# Altium PCB Lancelot.PcbDoc (part 1 of 14) (continued)
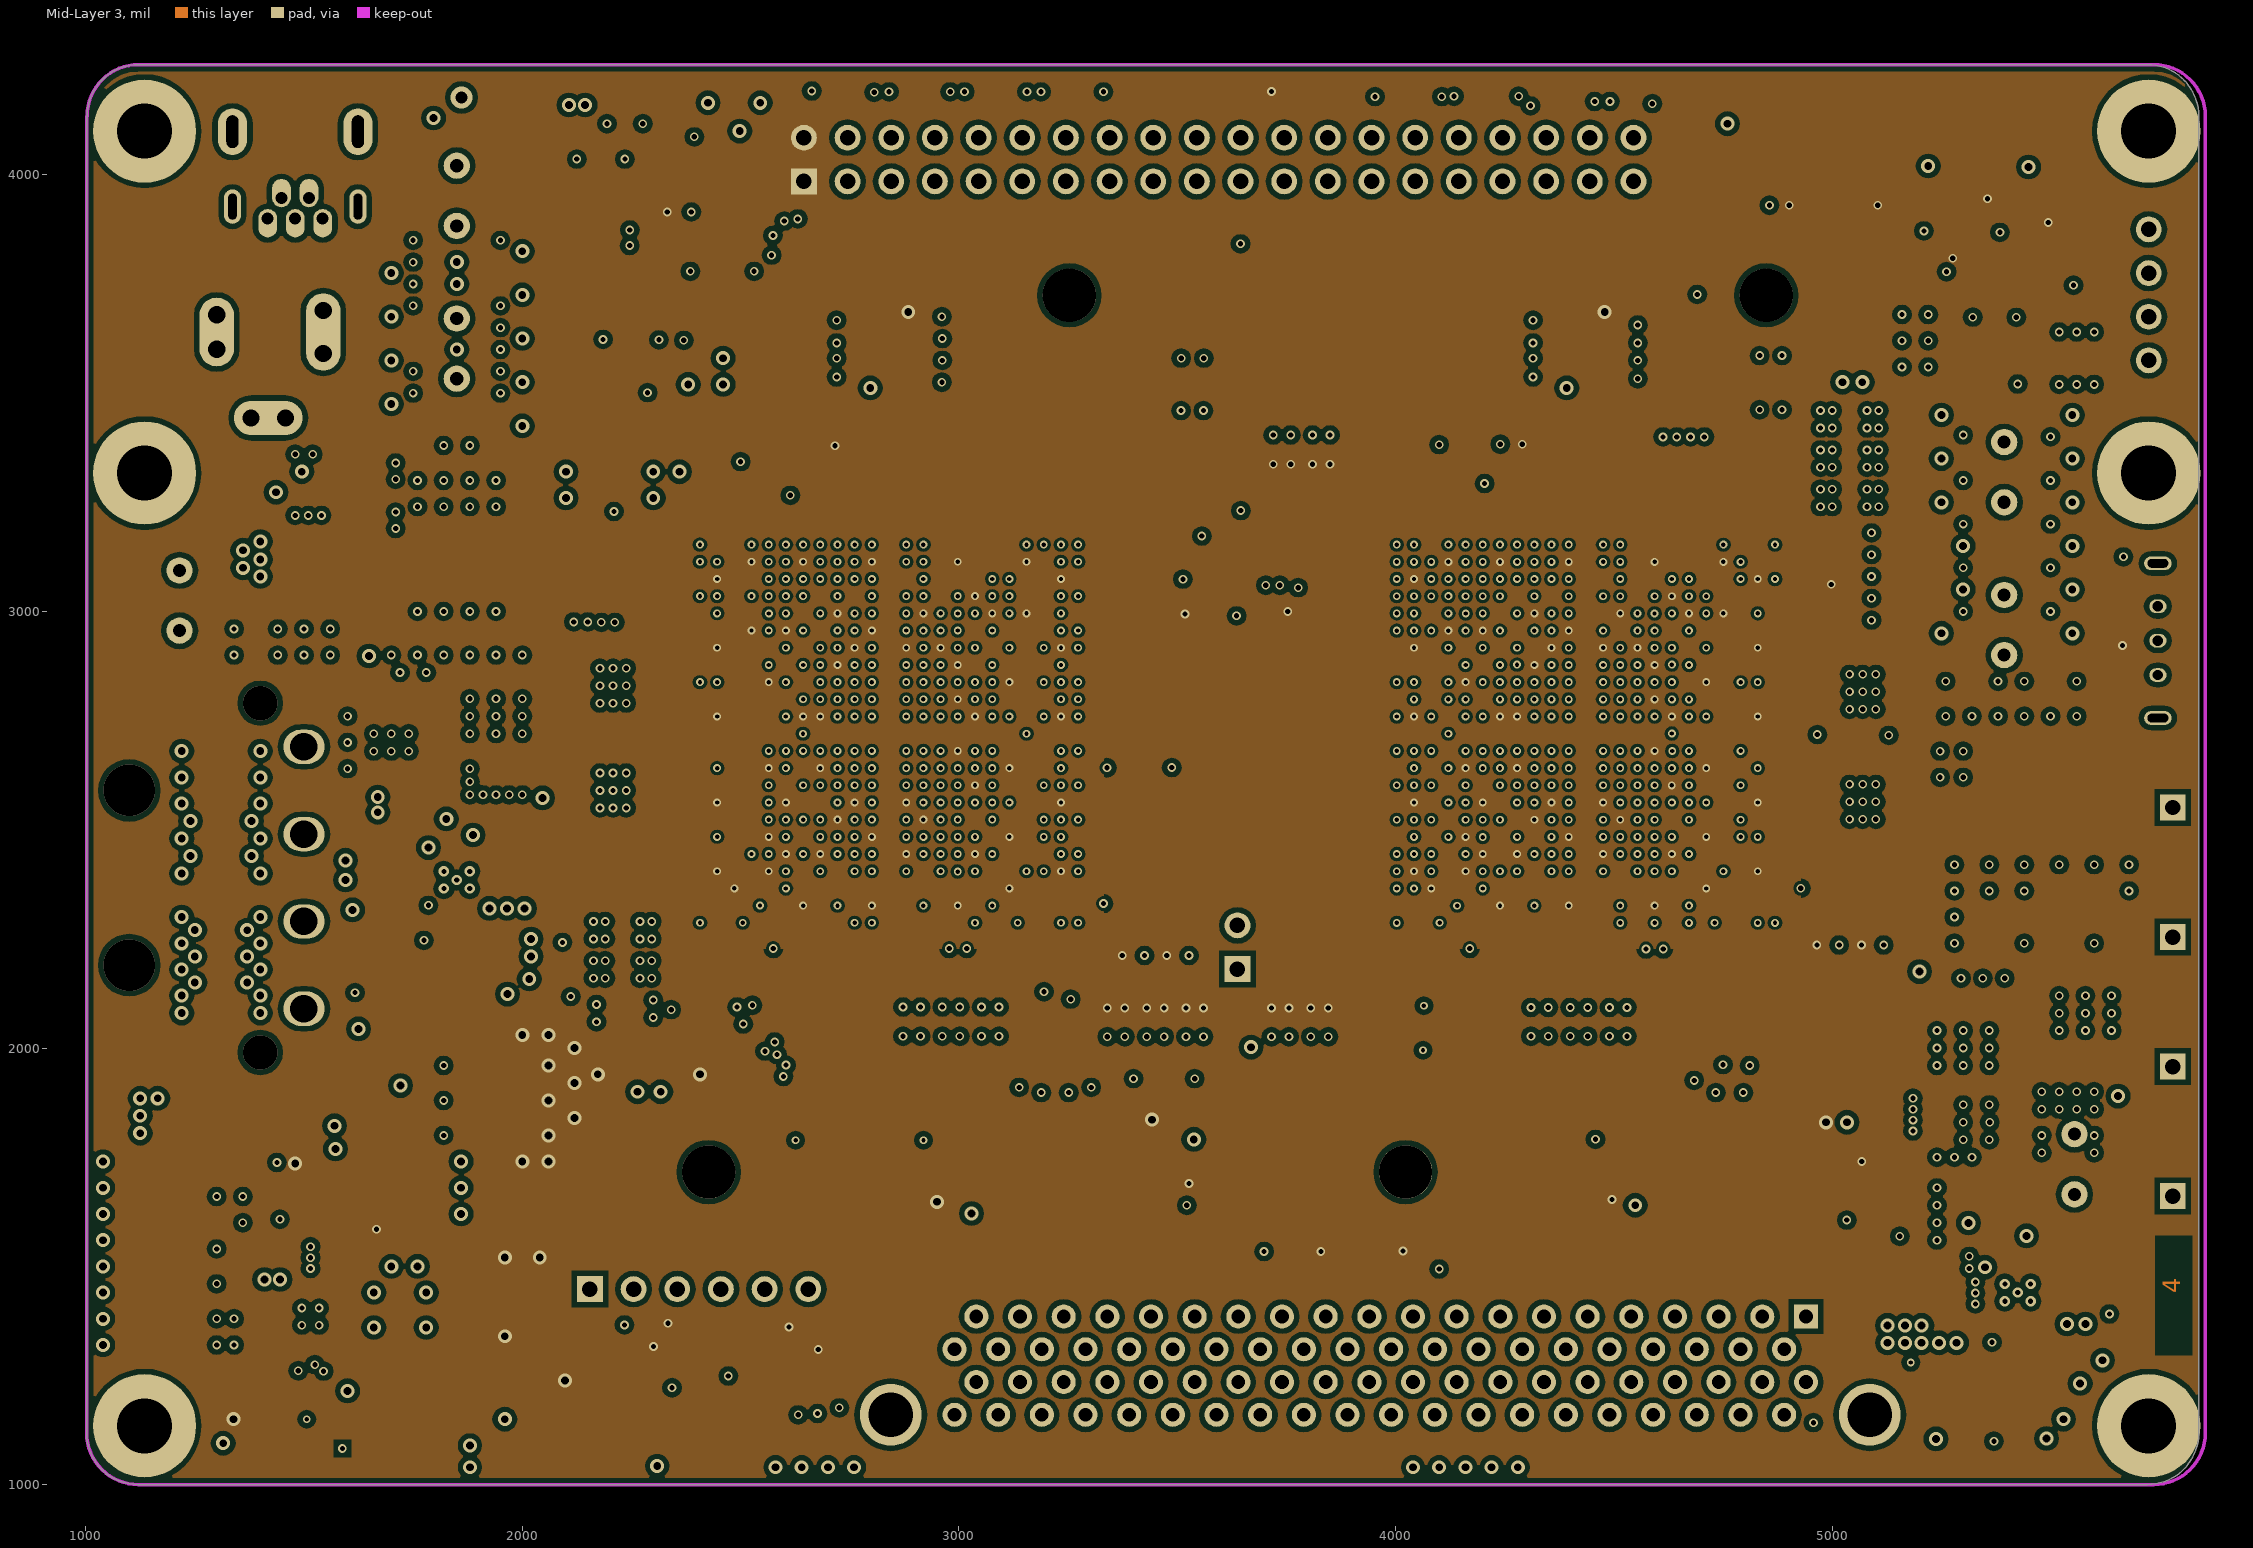
[diagram p4: Mid-Layer 3]
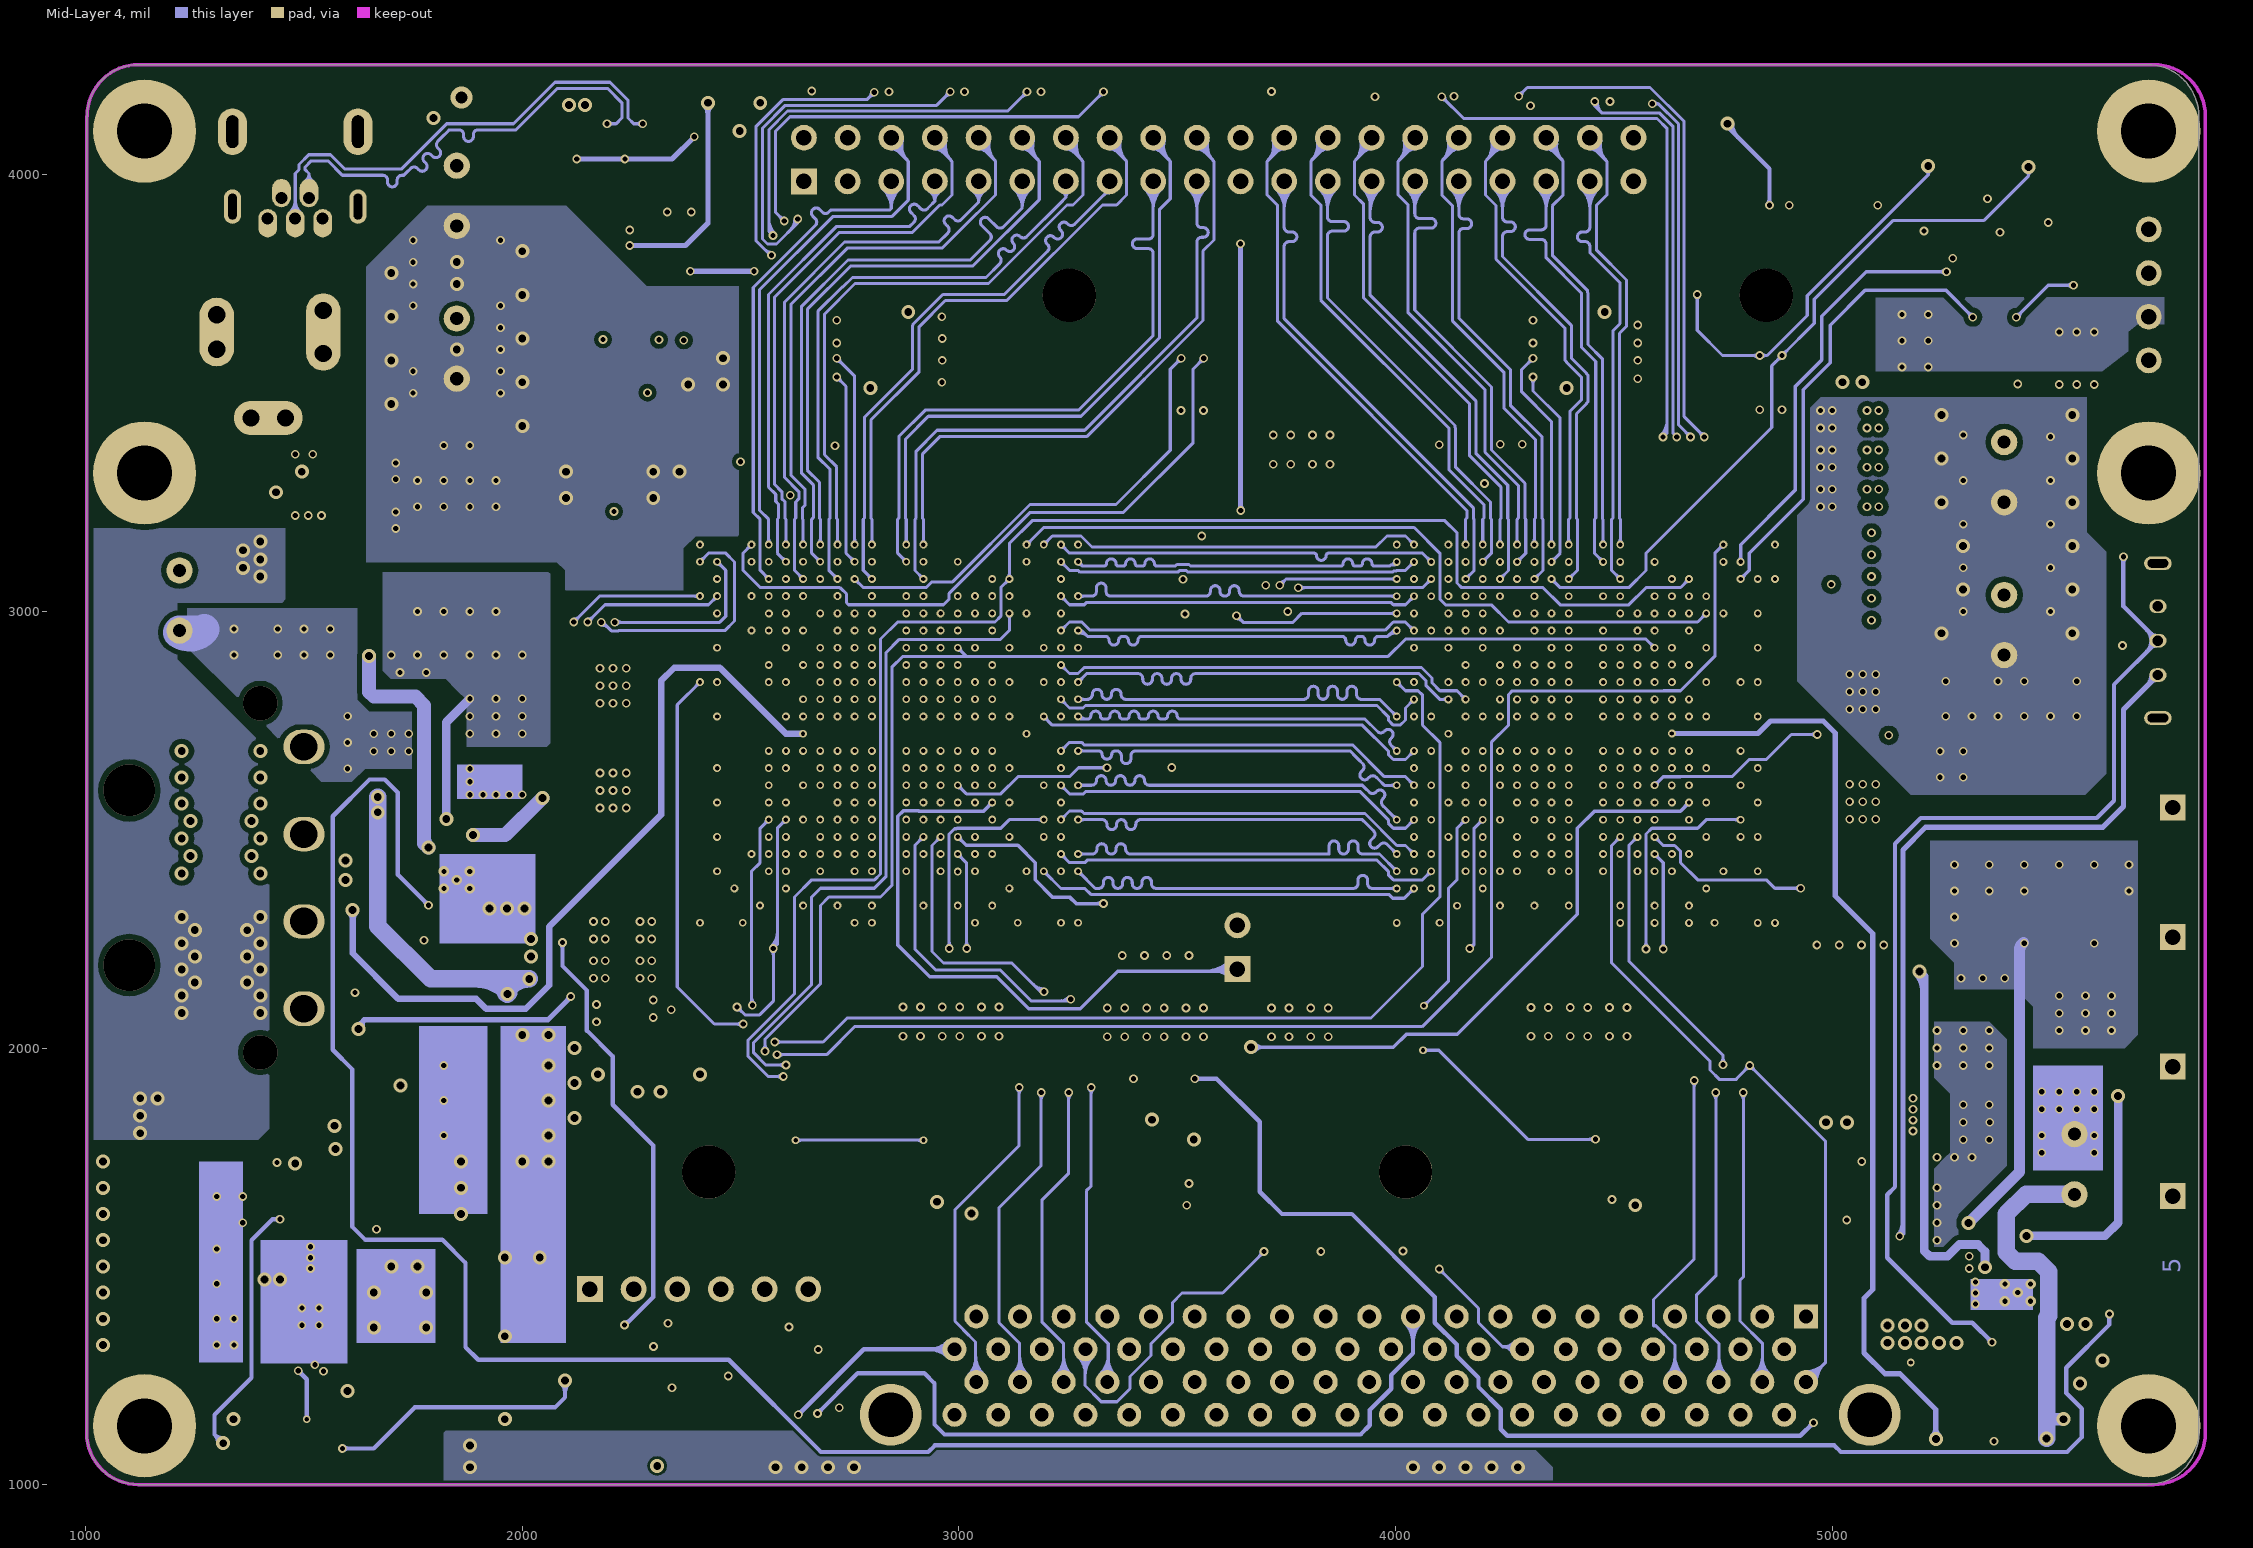
[diagram p5: Mid-Layer 4]

## Layer stack, top to bottom
Top Layer: signal copper 1.4
Dielectric: core 12.6, FR-4, Dk 4.8
Mid-Layer 1: signal copper 1.4
Dielectric: prepreg 12.6, FR-4, Dk 4.8
Mid-Layer 2: signal copper 1.4
Dielectric: core 12.6, FR-4, Dk 4.8
Mid-Layer 3: signal copper 1.4
Dielectric: prepreg 12.6, FR-4, Dk 4.8
Mid-Layer 4: signal copper 1.4
Dielectric: core 12.6, FR-4, Dk 4.8
Bottom Layer: signal copper 1.4

## Board outline
1002.39,1118.5 ccw(c1120.5,1118.5) 1120.5,1000.39 1120.5,1000 5721.5,1000 5721.5,1000.39 ccw(c5721.5,1118.5) 5839.61,1118.5 5840,1118.5 5840,4134.5 5839.61,4134.5 ccw(c5721.5,4134.5) 5721.5,4252.61 5721.5,4252.48 1121.5,4252.48 1121.5,4252.61 ccw(c1121.5,4134.5) 1003.39,4134.5 1002.48,4134.5

## Design rules (kind name [scope] priority, off if disabled: settings)
Clearance Clearance_39 [InNamedPolygon('M47')] p1: gap=10
Clearance Clearance_38 [InNamedPolygon('tgggg')] p2: gap=10
Clearance Clearance_37 [InNamedPolygon('tggg')] p3: gap=8
Clearance Clearance_36 [InNamedPolygon('tgg')] p4: gap=8
Clearance Clearance_35 [InNamedPolygon('bg1')] p5: gap=12
Clearance Clearance_34 [InNamedPolygon('M36')] p6: gap=12
Clearance Clearance_33 [InNamedPolygon('M35')] p7: gap=7
Clearance Clearance_32 [InNamedPolygon('M34')] p8: gap=7
Clearance Clearance_31 [InNamedPolygon('M33')] p9: gap=12
Clearance Clearance_30 [InNamedPolygon('M32')] p10: gap=7
Clearance Clearance_29 [InNamedPolygon('M31')] p11: gap=7
Clearance Clearance_28 [InNamedPolygon('M27')] p12: gap=10
Clearance Clearance_27 [InNamedPolygon('M26')] p13: gap=7
Clearance Clearance_26 [InNamedPolygon('M25')] p14: gap=7
Clearance Clearance_25 [InNamedPolygon('M24')] p15: gap=10
Clearance Clearance_24 [InNamedPolygon('M24')] p16: gap=9
Clearance Clearance_23 [InNamedPolygon('M24')] p17: gap=10
Clearance Clearance_22 [InNamedPolygon('M23')] p18: gap=12
Clearance Clearance_21 [InNamedPolygon('M22')] p19: gap=12
Clearance Clearance_20 [InNamedPolygon('M48')] p20: gap=12
Clearance Clearance_19 [InNamedPolygon('M21')] p21: gap=15
Clearance Clearance_18 [InNamedPolygon('M47')] p22: gap=12
Clearance Clearance_17 [InNamedPolygon('M46')] p23: gap=12
Clearance Clearance_16 [InNamedPolygon('M45')] p24: gap=12
Clearance Clearance_15 [InNamedPolygon('M44')] p25: gap=12
Clearance Clearance_14 [InNamedPolygon('M43')] p26: gap=12
Clearance Clearance_13 [InNamedPolygon('M42')] p27: gap=12
Clearance Clearance_12 [InNamedPolygon('M41')] p28: gap=12
Clearance Clearance_11 [InNamedPolygon('TG16')] p29: gap=10
Clearance Clearance_10 [InNamedPolygon('T15')] p30: gap=10
Clearance Clearance_9 [InNamedPolygon('T14')] p31: gap=10
Clearance Clearance_8 [InNamedPolygon('T13')] p32: gap=10
Clearance Clearance_7 [InNamedPolygon('T13')] p33: gap=10
Clearance Clearance_6 [InNamedPolygon('TG7')] p34: gap=10
Clearance Clearance_5 [InNamedPolygon('T13')] p35: gap=12
Clearance Clearance_4 [InNamedPolygon('T12')] p36: gap=10
Clearance Clearance_3 [InNamedPolygon('T11')] p37: gap=10
Clearance Clearance_2 [InNamedPolygon('TG10')] p38: gap=10
Clearance Clearance_1 [InNamedPolygon('T9')] p39: gap=10
Clearance [All] p40: gap=6
ComponentClearance [All] p1 off: gap=10 collisioncheckmode=3 verticalgap=10 showdistances=FALSE
DiffPairsRouting [All] p1: maxlimit=10 minlimit=7 mostfreqgap=7 maxuncoupledlength=500
HoleSize [All] p1: absolutevalues=TRUE maxlimit=99999 minlimit=10 maxpercent=80.000 minpercent=20.000
MinimumSolderMaskSliver [All] p1 off: minsoldermaskwidth=10
PlaneClearance [All] p1: clearance=12
PlaneConnect [All] p1 off: planeconnectstyle=Relief reliefexpansion=20 reliefentries=4 reliefconductorwidth=10 reliefairgap=10
PolygonConnect PolygonConnect_48 [All vs IsNamedPolygon('M47')] p1: connectstyle=Direct reliefconductorwidth=10 reliefentries=4 polygonreliefangle="90 Angle"
PolygonConnect PolygonConnect_47 [All vs IsNamedPolygon('TG2')] p2: connectstyle=Direct reliefconductorwidth=10 reliefentries=4 polygonreliefangle="90 Angle"
PolygonConnect PolygonConnect_46 [All vs IsNamedPolygon('T3')] p3: connectstyle=Direct reliefconductorwidth=10 reliefentries=4 polygonreliefangle="90 Angle"
PolygonConnect PolygonConnect_45 [All vs IsNamedPolygon('tgggg')] p4: connectstyle=Direct reliefconductorwidth=10 reliefentries=4 polygonreliefangle="90 Angle"
PolygonConnect PolygonConnect_44 [All vs IsNamedPolygon('tggg')] p5: connectstyle=Direct reliefconductorwidth=10 reliefentries=4 polygonreliefangle="90 Angle"
PolygonConnect PolygonConnect_43 [All vs IsNamedPolygon('tgg')] p6: connectstyle=Direct reliefconductorwidth=10 reliefentries=4 polygonreliefangle="90 Angle"
PolygonConnect PolygonConnect_42 [All vs IsNamedPolygon('bg1')] p7: connectstyle=Direct reliefconductorwidth=10 reliefentries=4 polygonreliefangle="90 Angle"
PolygonConnect PolygonConnect_41 [All vs IsNamedPolygon('M36')] p8: connectstyle=Direct reliefconductorwidth=10 reliefentries=4 polygonreliefangle="90 Angle"
PolygonConnect PolygonConnect_40 [All vs IsNamedPolygon('M35')] p9: connectstyle=Direct reliefconductorwidth=10 reliefentries=4 polygonreliefangle="90 Angle"
PolygonConnect PolygonConnect_39 [All vs IsNamedPolygon('M34')] p10: connectstyle=Direct reliefconductorwidth=10 reliefentries=4 polygonreliefangle="90 Angle"
PolygonConnect PolygonConnect_38 [All vs IsNamedPolygon('M33')] p11: connectstyle=Direct reliefconductorwidth=10 reliefentries=4 polygonreliefangle="90 Angle"
PolygonConnect PolygonConnect_37 [All vs IsNamedPolygon('M32')] p12: connectstyle=Direct reliefconductorwidth=10 reliefentries=4 polygonreliefangle="90 Angle"
PolygonConnect PolygonConnect_36 [All vs IsNamedPolygon('M31')] p13: connectstyle=Direct reliefconductorwidth=10 reliefentries=4 polygonreliefangle="90 Angle"
PolygonConnect PolygonConnect_35 [All vs IsNamedPolygon('M27')] p14: connectstyle=Direct reliefconductorwidth=10 reliefentries=4 polygonreliefangle="90 Angle"
PolygonConnect PolygonConnect_34 [All vs IsNamedPolygon('M26')] p15: connectstyle=Direct reliefconductorwidth=10 reliefentries=4 polygonreliefangle="90 Angle"
PolygonConnect PolygonConnect_33 [All vs IsNamedPolygon('M25')] p16: connectstyle=Direct reliefconductorwidth=10 reliefentries=4 polygonreliefangle="90 Angle"
PolygonConnect PolygonConnect_32 [All vs IsNamedPolygon('M24')] p17: connectstyle=Direct reliefconductorwidth=10 reliefentries=4 polygonreliefangle="90 Angle"
PolygonConnect PolygonConnect_31 [All vs IsNamedPolygon('M23')] p18: connectstyle=Direct reliefconductorwidth=10 reliefentries=4 polygonreliefangle="90 Angle"
PolygonConnect PolygonConnect_30 [All vs IsNamedPolygon('M22')] p19: connectstyle=Direct reliefconductorwidth=10 reliefentries=4 polygonreliefangle="90 Angle"
PolygonConnect PolygonConnect_29 [All vs IsNamedPolygon('M48')] p20: connectstyle=Direct reliefconductorwidth=10 reliefentries=4 polygonreliefangle="90 Angle"
PolygonConnect PolygonConnect_28 [All vs IsNamedPolygon('M21')] p21: connectstyle=Direct reliefconductorwidth=10 reliefentries=4 polygonreliefangle="90 Angle"
PolygonConnect PolygonConnect_27 [All vs IsNamedPolygon('M47')] p22: connectstyle=Direct reliefconductorwidth=10 reliefentries=4 polygonreliefangle="90 Angle"
PolygonConnect PolygonConnect_26 [All vs IsNamedPolygon('M46')] p23: connectstyle=Direct reliefconductorwidth=10 reliefentries=4 polygonreliefangle="90 Angle"
PolygonConnect PolygonConnect_25 [All vs IsNamedPolygon('M45')] p24: connectstyle=Direct reliefconductorwidth=10 reliefentries=4 polygonreliefangle="90 Angle"
PolygonConnect PolygonConnect_24 [All vs IsNamedPolygon('M44')] p25: connectstyle=Direct reliefconductorwidth=10 reliefentries=4 polygonreliefangle="90 Angle"
PolygonConnect PolygonConnect_23 [All vs IsNamedPolygon('M43')] p26: connectstyle=Direct reliefconductorwidth=10 reliefentries=4 polygonreliefangle="90 Angle"
PolygonConnect PolygonConnect_22 [All vs IsNamedPolygon('M42')] p27: connectstyle=Direct reliefconductorwidth=10 reliefentries=4 polygonreliefangle="90 Angle"
PolygonConnect PolygonConnect_21 [All vs IsNamedPolygon('M41')] p28: connectstyle=Direct reliefconductorwidth=10 reliefentries=4 polygonreliefangle="90 Angle"
PolygonConnect PolygonConnect_20 [All vs IsNamedPolygon('TG16')] p29: connectstyle=Direct reliefconductorwidth=10 reliefentries=4 polygonreliefangle="90 Angle"
PolygonConnect PolygonConnect_19 [All vs IsNamedPolygon('T15')] p30: connectstyle=Direct reliefconductorwidth=10 reliefentries=4 polygonreliefangle="90 Angle"
PolygonConnect PolygonConnect_18 [All vs IsNamedPolygon('T14')] p31: connectstyle=Direct reliefconductorwidth=10 reliefentries=4 polygonreliefangle="90 Angle"
PolygonConnect PolygonConnect_17 [All vs IsNamedPolygon('T13')] p32: connectstyle=Direct reliefconductorwidth=10 reliefentries=4 polygonreliefangle="90 Angle"
PolygonConnect PolygonConnect_16 [All vs IsNamedPolygon('TG7')] p33: connectstyle=Direct reliefconductorwidth=10 reliefentries=4 polygonreliefangle="90 Angle"
PolygonConnect PolygonConnect_15 [All vs IsNamedPolygon('T13')] p34: connectstyle=Direct reliefconductorwidth=10 reliefentries=4 polygonreliefangle="90 Angle"
PolygonConnect PolygonConnect_14 [All vs IsNamedPolygon('T12')] p35: connectstyle=Direct reliefconductorwidth=10 reliefentries=4 polygonreliefangle="90 Angle"
PolygonConnect PolygonConnect_13 [All vs IsNamedPolygon('TG4')] p36: connectstyle=Direct reliefconductorwidth=10 reliefentries=4 polygonreliefangle="90 Angle"
PolygonConnect PolygonConnect_12 [All vs IsNamedPolygon('T5')] p37: connectstyle=Direct reliefconductorwidth=10 reliefentries=4 polygonreliefangle="90 Angle"
PolygonConnect PolygonConnect_1 [IsVia vs IsVia] p38: connectstyle=Direct reliefconductorwidth=10 reliefentries=4 polygonreliefangle="90 Angle"
PolygonConnect PolygonConnect_11 [All vs IsNamedPolygon('T5')] p39: connectstyle=Relief reliefconductorwidth=25 reliefentries=4 polygonreliefangle="90 Angle"
PolygonConnect PolygonConnect_10 [All vs IsNamedPolygon('TG4')] p40: connectstyle=Relief reliefconductorwidth=25 reliefentries=4 polygonreliefangle="90 Angle"
PolygonConnect PolygonConnect_9 [All vs IsNamedPolygon('TG1')] p41: connectstyle=Direct reliefconductorwidth=10 reliefentries=4 polygonreliefangle="90 Angle"
PolygonConnect PolygonConnect_8 [All vs IsNamedPolygon('T2')] p42: connectstyle=Direct reliefconductorwidth=10 reliefentries=4 polygonreliefangle="90 Angle"
PolygonConnect PolygonConnect_7 [All vs IsNamedPolygon('T2')] p43: connectstyle=Relief reliefconductorwidth=25 reliefentries=4 polygonreliefangle="90 Angle"
PolygonConnect PolygonConnect_6 [All vs IsNamedPolygon('TG1')] p44: connectstyle=Relief reliefconductorwidth=25 reliefentries=4 polygonreliefangle="90 Angle"
PolygonConnect PolygonConnect_5 [All vs IsNamedPolygon('T11')] p45: connectstyle=Direct reliefconductorwidth=10 reliefentries=4 polygonreliefangle="90 Angle"
PolygonConnect PolygonConnect_4 [All vs IsNamedPolygon('TG10')] p46: connectstyle=Direct reliefconductorwidth=10 reliefentries=4 polygonreliefangle="90 Angle"
PolygonConnect PolygonConnect_3 [All vs IsNamedPolygon('T9')] p47: connectstyle=Direct reliefconductorwidth=10 reliefentries=4 polygonreliefangle="90 Angle"
PolygonConnect PolygonConnect_2 [All vs IsNamedPolygon('TG8')] p48: connectstyle=Direct reliefconductorwidth=10 reliefentries=4 polygonreliefangle="90 Angle"
PolygonConnect [All] p49: connectstyle=Relief reliefconductorwidth=12 reliefentries=4 polygonreliefangle="90 Angle"
RoutingVias [All] p1: holewidth=10 width=18 viastyle="Through Hole" minholewidth=10 minwidth=18 maxholewidth=10000 maxwidth=20000
SilkToSilkClearance [All] p1 off: silktosilkclearance=10
SilkscreenOverComponentPads [All] p1 off: minsilkscreentomaskgap=10
SolderMaskExpansion [All] p1: expansion=4
Width [All] p1: maxlimit=10000 minlimit=6 preferedwidth=10
20 further rules are at their usual default settings.

## Classes and differential pairs
component class io_power: C170 C171 C172 C173 C174 C175 C176 C177 C178 C179 C180 FB5 L3 PWR_OK Q5 R58 R59 R60 R61 R62 R63 R64 R65 R66 U8 V_AUX/IO1
component class clock: C1 C2 C3 C4 R1 R2 R3 R4 U3 Y1
component class config: C5 C6 C7 C8 DONE1 DONE2 F1 FX1 JTAG1 PROG1 PROG2 R5 R6 R7 R8 R9 R10 R11 R12 R13 R14 R15 R16 R17 R18 R19 R20 R21 R22 R23 R24 R25 R26 R27 R28 R29 R30 R31 R32 R33 R34 R35 R36 R37 R38 RN1 RN2 RN3 TP1 TP2 U4 U5
component class core_power: 12V C9 C10 C11 C12 C13 C14 C15 C16 C17 C18 C19 C20 C21 C22 C23 C24 C25 C26 C27 C28 C29 C30 C31 C32 C33 C34 F2 FB1 FB2 FB3 FB4 GND1 L1 L2 P2 Q1 Q2 Q3 Q4 R39 R40 R41 R42 R43 R44 R45 R46 R47 R48 R49 R50 R51 R52 R53 R54 R55 R56 R57 S1 TP3 TP4 TP5 U6 U7 V_CORE1 V_CORE2
component class FPGA1_PWR: BATT1 C35 C36 C37 C38 C39 C40 C41 C42 C43 C44 C45 C46 C47 C48 C49 C50 C51 C52 C53 C54 C55 C56 C57 C58 C59 C60 C61 C62 C63 C64 C65 C66 C67 C68 C69 C70 C71 C72 C73 C74 C75 C76 C77 C78 C79 C80 C81 C82 C83 C84 C85 C86 C87 C88 C89 C90 C91 C92 C93 C94 C95 C96 C97 C98 C99 C100
component class FPGA1: U1
component class FPGA2_PWR: C101 C102 C103 C104 C105 C106 C107 C108 C109 C110 C111 C112 C113 C114 C115 C116 C117 C118 C119 C120 C121 C122 C123 C124 C125 C126 C127 C128 C129 C130 C131 C132 C133 C134 C135 C136 C137 C138 C139 C140 C141 C142 C143 C144 C145 C146 C147 C148 C149 C150 C151 C152 C153 C154 C155 C156 C157 C158 C159 C160 C161 C162 C163 C164 C165 C166 C167 C168 C169
component class FPGA2: RN4 U2
component class peripherals: 1_IDLE 2_IDLE C181 C182 C183 D1 FAN1 FPGA2_RX FPGA2_TX FPGA2_VALID HOT MASK1 MASK2 MASK3 Q6 Q7 R67 R68 R69 R70 R71 R72 R73 R74 R75 R76 R77 R78 R79 R80 R81 R82 R83 R84 R85 R86 R87 R88 R89 R90 R91 R92 R93 RN5 RN6 RN7 RN8 RN9 RN10 RST_1 RST_2 RX_1 RX_2 S2 S3 SET_1 SET_2 TX_1 TX_2 U9 VALID
component class USB_UART: C184 C185 C186 C187 F3 R94 R95 R96 R97 R98 R99 R100 RN11 RXD1 TXD1 U10 U11 USB1
component class connector: P1
differential pair FPGA1_B1_1: +FPGA1_B1_1_P -FPGA1_B1_1_N
differential pair FPGA1_B1_2: +FPGA1_B1_2_P -FPGA1_B1_2_N
differential pair FPGA1_B1_8: +FPGA1_B1_4_P -FPGA1_B1_4_N
differential pair FX1_FPGA1_1: +FX1_FPGA1_1_P -FX1_FPGA1_1_N
differential pair FX1_FPGA1_2: +FX1_FPGA1_2_P -FX1_FPGA1_2_N
differential pair FX1_FPGA1_3: +FX1_FPGA1_3_P -FX1_FPGA1_3_N
differential pair FX1_FPGA1_4: +FX1_FPGA1_4_P -FX1_FPGA1_4_N
differential pair FX1_FPGA1_5: +FX1_FPGA1_5_P -FX1_FPGA1_5_N
differential pair FX1_FPGA1_6: +FX1_FPGA1_6_P -FX1_FPGA1_6_N
differential pair FX1_FPGA1_7: +FX1_FPGA1_7_P -FX1_FPGA1_7_N
differential pair FX1_FPGA1_8: +FX1_FPGA1_8_P -FX1_FPGA1_8_N
differential pair FX1_FPGA2_1: +FX1_FPGA2_1_P -FX1_FPGA2_1_N
differential pair FX1_FPGA2_2: +FX1_FPGA2_2_P -FX1_FPGA2_2_N
differential pair FX1_FPGA2_3: +FX1_FPGA2_3_P -FX1_FPGA2_3_N
differential pair FX1_FPGA2_4: +FX1_FPGA2_4_P -FX1_FPGA2_4_N
differential pair FX1_FPGA2_5: +FX1_FPGA2_5_P -FX1_FPGA2_5_N
differential pair FX1_FPGA2_6: +FX1_FPGA2_6_P -FX1_FPGA2_6_N
differential pair FX1_FPGA2_7: +FX1_FPGA2_7_P -FX1_FPGA2_7_N
differential pair FX1_FPGA2_8: +FX1_FPGA2_8_P -FX1_FPGA2_8_N
differential pair USB: +USB_P -USB_N
differential pair FPGA1_B1_3: +FPGA1_B1_3_P -FPGA1_B1_3_N
differential pair FPGA1_B1_5: +FPGA1_B1_5_P -FPGA1_B1_5_N
differential pair FPGA1_B1_6: +FPGA1_B1_6_P -FPGA1_B1_6_N
differential pair FPGA1_B1_7: +FPGA1_B1_7_P -FPGA1_B1_7_N
differential pair FPGA1_B1_9: +FPGA1_B1_9_P -FPGA1_B1_9_N
differential pair FPGA1_B1_10: +FPGA1_B1_10_P -FPGA1_B1_10_N
differential pair FPGA1_B1_11: +FPGA1_B1_11_P -FPGA1_B1_11_N
differential pair FPGA1_B1_8: +FPGA1_B1_8_P -FPGA1_B1_8_N
differential pair FPGA1_B1_12: +FPGA1_B1_12_P -FPGA1_B1_12_N
